# Allegro board arena_12-12_v5.brd (continued)
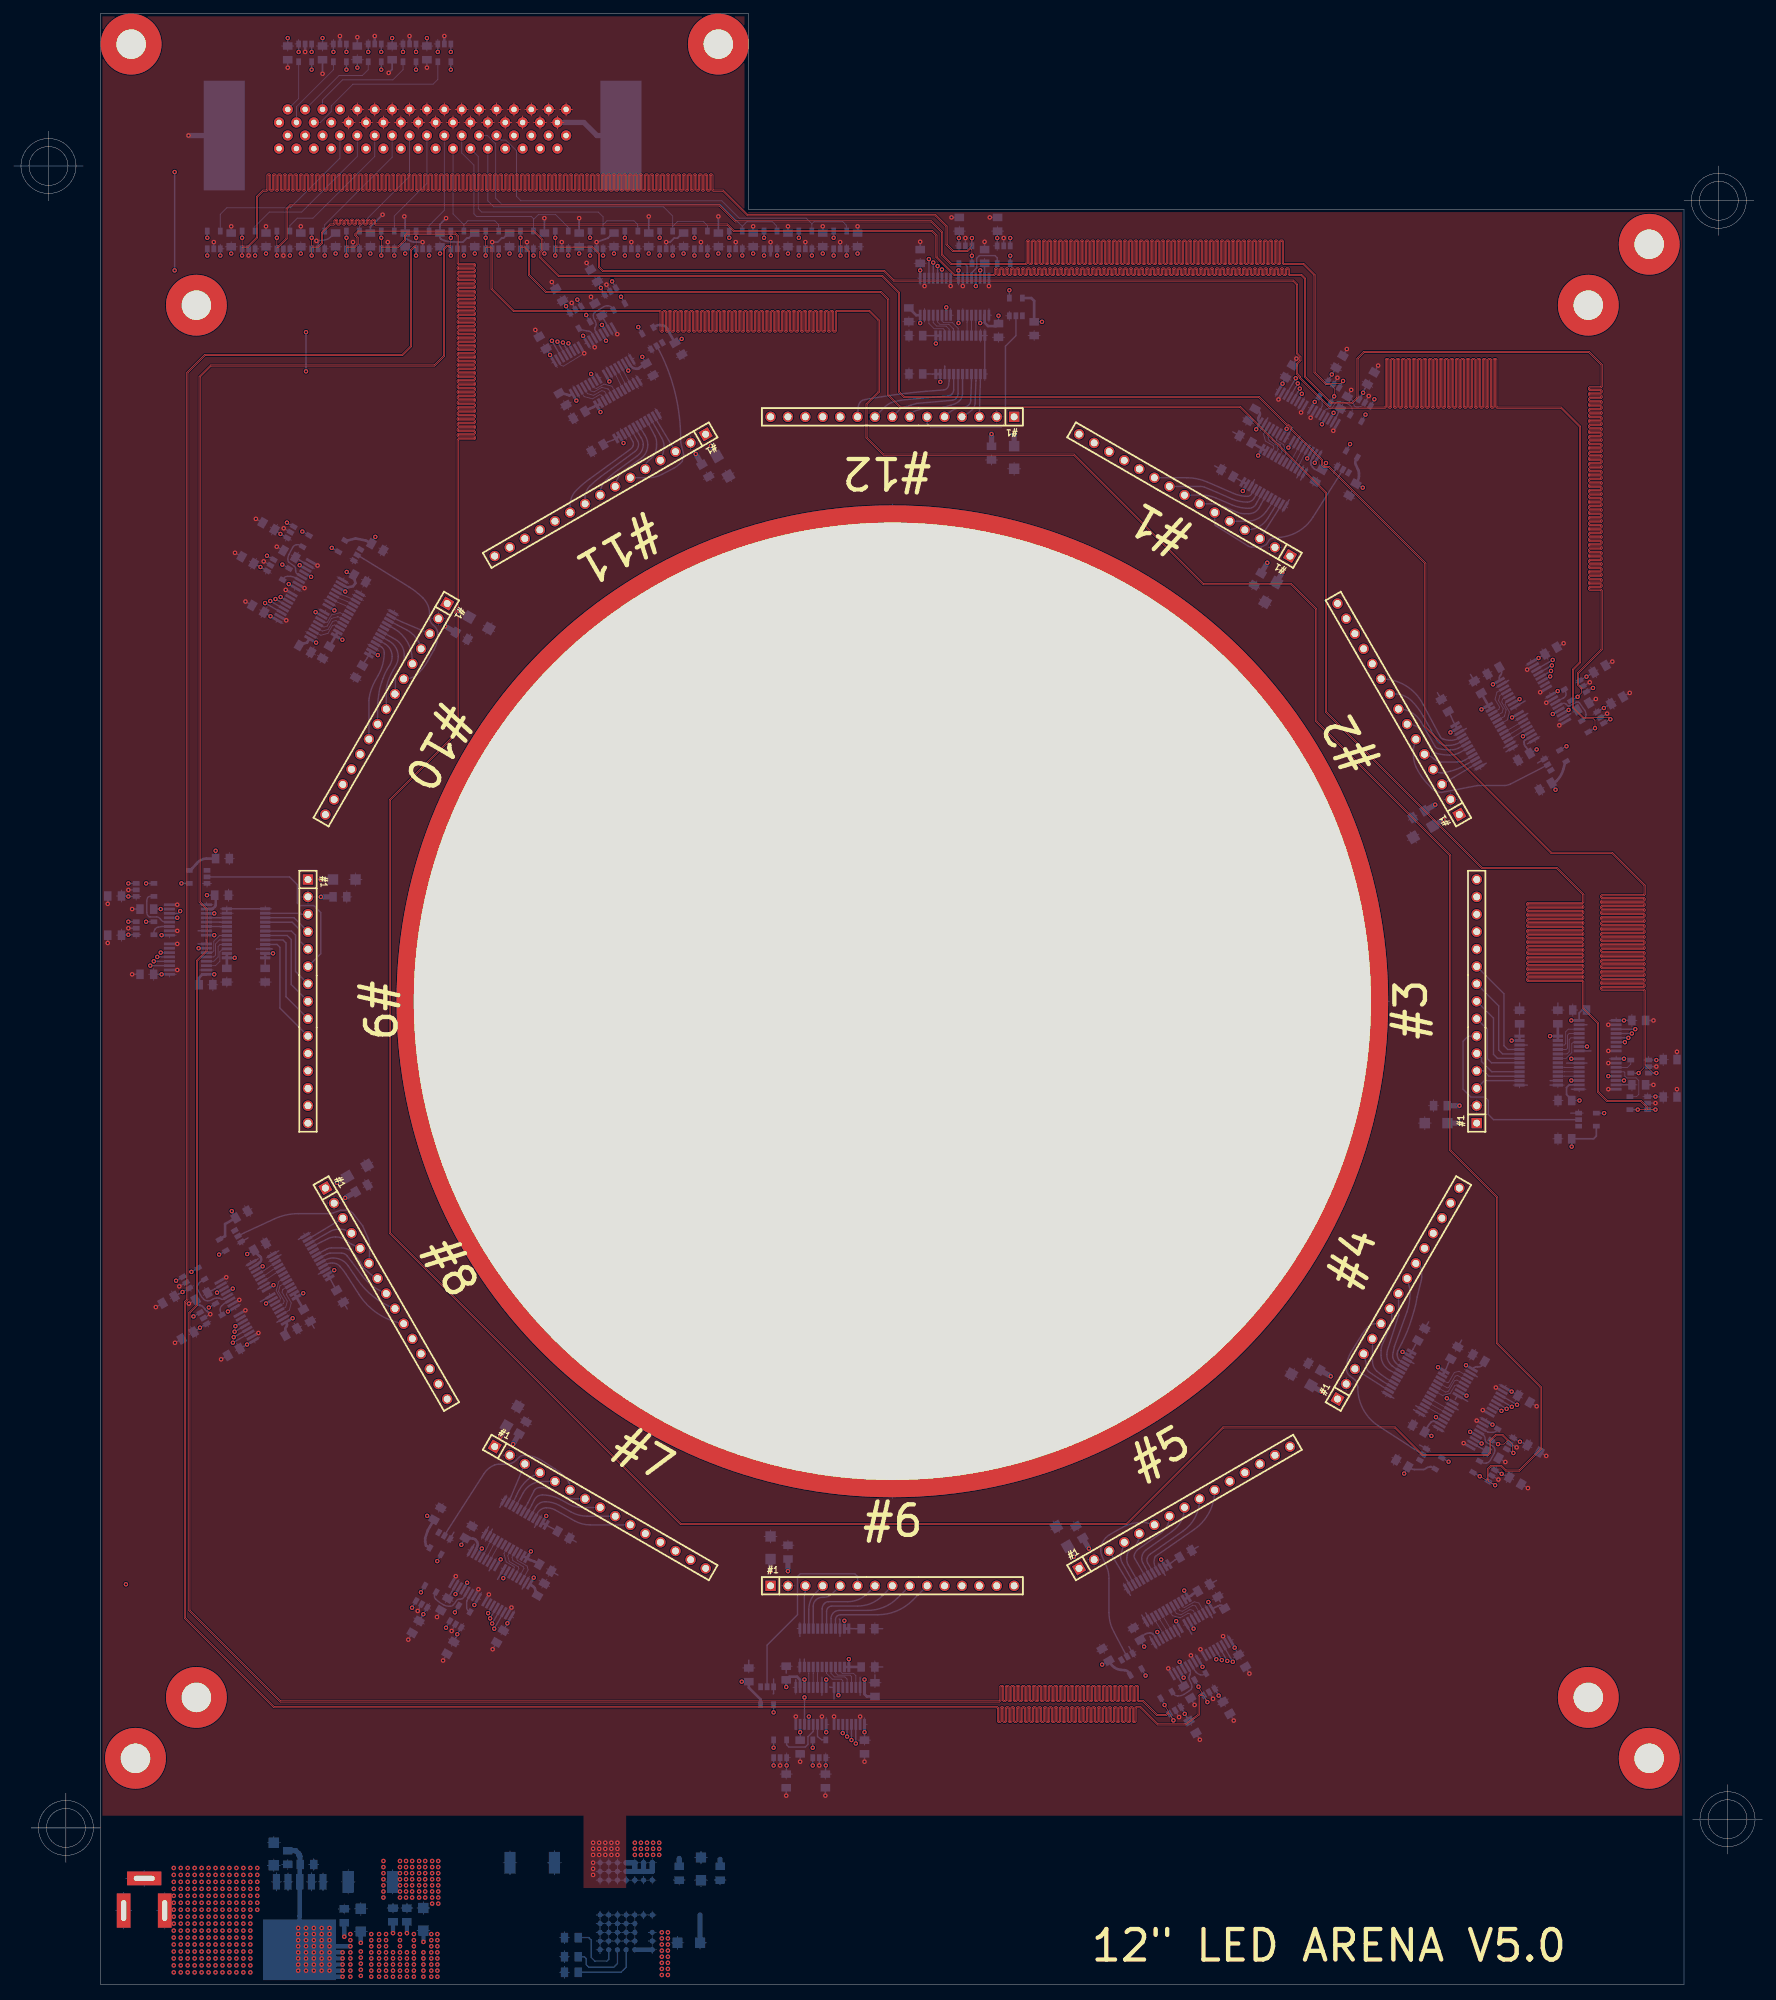
[diagram p0: board, top side]
## Routing (per net, layer and track width the routed paths; a pad name or vN(x,y) marks a point on that pad's centre or on a via; arc(x,y) is an arc through that point) (continued)
  BOTTOM w0.203: U77.3 v1(48.57,282.08) ; U78.4 v1(64.4,54.33)
M1_P: length 475.2
  PWR w0.089: v1(48.57,279.49) 48.57,280.35 48.92,280.69 50.27,280.69 50.88,280.09 50.88,277.19 49.58,275.89 20.75,275.89 17.35,272.49 17.35,233.86 18.47,232.74 19,232.74 19.16,232.91 19.16,233.69 19.23,233.76 19.32,233.76 19.38,233.69 19.38,232.91 19.55,232.74 19.78,232.74 19.95,232.91 19.95,233.69 20.02,233.76 20.1,233.76 20.17,233.69 20.17,232.91 20.34,232.74 20.57,232.74 20.74,232.91 20.74,233.69 20.8,233.76 20.89,233.76 20.96,233.69 20.96,232.91 21.12,232.74 21.36,232.74 21.53,232.91 21.53,233.69 21.59,233.76 21.68,233.76 21.74,233.69 21.74,232.91 21.91,232.74 22.15,232.74 22.31,232.91 22.31,233.69 22.38,233.76 22.47,233.76 22.53,233.69 22.53,232.91 22.7,232.74 22.93,232.74 23.1,232.91 23.1,233.69 23.16,233.76 23.25,233.76 23.32,233.69 23.32,232.91 23.48,232.74 25.45,232.74 29.98,228.21 29.98,129.04 15.57,114.63 15.57,53.01 16.94,51.64 20.42,51.64 20.49,51.57 20.49,50.21 20.65,50.04 20.89,50.04 21.06,50.21 21.06,51.57 21.12,51.64 21.21,51.64 21.27,51.57 21.27,50.21 21.44,50.04 21.68,50.04 21.84,50.21 21.84,51.57 21.91,51.64 22,51.64 22.06,51.57 22.06,50.21 22.23,50.04 22.46,50.04 22.63,50.21 22.63,51.57 22.69,51.64 22.78,51.64 22.85,51.57 22.85,50.21 23.01,50.04 23.25,50.04 23.42,50.21 23.42,51.57 23.48,51.64 23.57,51.64 23.63,51.57 23.63,50.21 23.8,50.04 24.04,50.04 24.21,50.21 24.21,51.57 24.27,51.64 24.36,51.64 24.42,51.57 24.42,50.21 24.59,50.04 24.83,50.04 24.99,50.21 24.99,51.57 25.06,51.64 25.15,51.64 25.21,51.57 25.21,50.21 25.38,50.04 25.61,50.04 25.78,50.21 25.78,51.57 25.84,51.64 25.93,51.64 26,51.57 26,50.21 26.16,50.04 26.4,50.04 26.57,50.21 26.57,51.57 26.63,51.64 26.72,51.64 26.78,51.57 26.78,50.21 26.95,50.04 27.19,50.04 27.36,50.21 27.36,51.57 27.42,51.64 27.51,51.64 27.57,51.57 27.57,50.21 27.74,50.04 27.98,50.04 28.14,50.21 28.14,51.57 28.21,51.64 28.3,51.64 28.36,51.57 28.36,50.21 28.53,50.04 28.76,50.04 28.93,50.21 28.93,51.57 28.99,51.64 29.08,51.64 29.15,51.57 29.15,50.21 29.31,50.04 29.55,50.04 29.72,50.21 29.72,51.57 29.78,51.64 29.87,51.64 29.93,51.57 29.93,50.21 30.1,50.04 30.34,50.04 30.51,50.21 30.51,51.57 30.57,51.64 30.66,51.64 30.72,51.57 30.72,50.21 30.89,50.04 31.13,50.04 31.29,50.21 31.29,51.57 31.36,51.64 31.45,51.64 31.51,51.57 31.51,50.21 31.68,50.04 31.91,50.04 32.08,50.21 32.08,51.57 32.14,51.64 32.23,51.64 32.3,51.57 32.3,50.21 32.46,50.04 32.7,50.04 32.87,50.21 32.87,51.57 32.93,51.64 33.02,51.64 33.08,51.57 33.08,50.21 33.25,50.04 33.49,50.04 33.66,50.21 33.66,51.57 33.72,51.64 33.81,51.64 33.87,51.57 33.87,50.21 34.04,50.04 34.27,50.04 34.44,50.21 34.44,51.57 34.51,51.64 34.59,51.64 34.66,51.57 34.66,50.21 34.83,50.04 35.06,50.04 35.23,50.21 35.23,51.57 35.29,51.64 35.38,51.64 35.45,51.57 35.45,50.21 35.61,50.04 35.85,50.04 36.02,50.21 36.02,51.57 36.08,51.64 36.17,51.64 36.23,51.57 36.23,50.21 36.4,50.04 36.64,50.04 36.8,50.21 36.8,51.57 36.87,51.64 36.96,51.64 37.02,51.57 37.02,50.21 37.19,50.04 37.42,50.04 37.59,50.21 37.59,51.57 37.66,51.64 37.74,51.64 37.81,51.57 37.81,50.21 37.98,50.04 38.21,50.04 38.38,50.21 38.38,51.57 38.44,51.64 38.53,51.64 38.6,51.57 38.6,50.21 38.76,50.04 39,50.04 39.17,50.21 39.17,51.57 39.23,51.64 39.32,51.64 39.38,51.57 39.38,50.21 39.55,50.04 39.79,50.04 39.95,50.21 39.95,51.57 40.02,51.64 40.11,51.64 40.17,51.57 40.17,50.21 40.34,50.04 40.57,50.04 40.74,50.21 40.74,51.57 40.81,51.64 40.89,51.64 40.96,51.57 40.96,50.21 41.13,50.04 41.36,50.04 41.53,50.21 41.53,51.57 41.59,51.64 41.68,51.64 41.74,51.57 41.74,50.21 41.91,50.04 42.15,50.04 42.32,50.21 42.32,51.57 42.38,51.64 42.47,51.64 42.53,51.57 42.53,50.21 42.7,50.04 42.94,50.04 43.1,50.21 43.1,51.57 43.17,51.64 43.26,51.64 43.32,51.57 43.32,50.21 43.49,50.04 43.72,50.04 43.89,50.21 43.89,51.57 43.95,51.64 44.04,51.64 44.11,51.57 44.11,50.21 44.27,50.04 44.51,50.04 44.68,50.21 44.68,51.57 44.74,51.64 44.83,51.64 44.89,51.57 44.89,50.21 45.06,50.04 45.3,50.04 45.47,50.21 45.47,51.57 45.53,51.64 45.62,51.64 45.68,51.57 45.68,50.21 45.85,50.04 46.09,50.04 46.25,50.21 46.25,51.57 46.32,51.64 46.41,51.64 46.47,51.57 46.47,50.21 46.64,50.04 46.87,50.04 47.04,50.21 47.04,51.57 47.1,51.64 47.19,51.64 47.26,51.57 47.26,50.21 47.42,50.04 47.66,50.04 47.83,50.21 47.83,51.57 47.89,51.64 47.98,51.64 48.04,51.57 48.04,50.21 48.21,50.04 48.45,50.04 48.62,50.21 48.62,51.57 48.68,51.64 48.77,51.64 48.83,51.57 48.83,50.21 49,50.04 49.24,50.04 49.4,50.21 49.4,51.57 49.47,51.64 49.56,51.64 49.62,51.57 49.62,50.21 49.79,50.04 50.02,50.04 50.19,50.21 50.19,51.57 50.25,51.64 50.34,51.64 50.41,51.57 50.41,50.21 50.57,50.04 50.81,50.04 50.98,50.21 50.98,51.57 51.04,51.64 51.13,51.64 51.19,51.57 51.19,50.21 51.36,50.04 51.6,50.04 51.77,50.21 51.77,51.57 51.83,51.64 51.92,51.64 51.98,51.57 51.98,50.21 52.15,50.04 52.38,50.04 52.55,50.21 52.55,51.57 52.62,51.64 52.71,51.64 52.77,51.57 52.77,50.21 52.94,50.04 53.17,50.04 53.34,50.21 53.34,51.57 53.4,51.64 53.49,51.64 53.56,51.57 53.56,50.21 53.72,50.04 53.96,50.04 54.13,50.21 54.13,51.57 54.19,51.64 54.28,51.64 54.34,51.57 54.34,50.21 54.51,50.04 54.75,50.04 54.91,50.21 54.91,51.57 54.98,51.64 55.07,51.64 55.13,51.57 55.13,50.21 55.3,50.04 55.53,50.04 55.7,50.21 55.7,51.57 55.77,51.64 55.85,51.64 55.92,51.57 55.92,50.21 56.09,50.04 56.32,50.04 56.49,50.21 56.49,51.57 56.55,51.64 60.78,51.64 62.81,53.67 63.08,53.67 63.5,53.25 63.52,53.24 63.63,53.17 63.63,53.17 63.67,53.05 v1(63.11,52.08)
  BOTTOM w0.203: U77.4 v1(48.57,279.49) ; U78.3 v1(63.11,52.08)
M2_N: length 472.6
  PWR w0.089: v1(53.65,282.08) 53.65,281.12 53.9,280.87 54.66,280.87 55.5,280.03 55.5,275.84 54.36,274.7 24.13,274.7 20.45,271.02 20.45,269.78 20.28,269.62 18.78,269.62 18.72,269.55 18.72,269.46 18.78,269.4 20.28,269.4 20.45,269.23 20.45,269 20.28,268.83 18.78,268.83 18.72,268.77 18.72,268.68 18.78,268.61 20.28,268.61 20.45,268.44 20.45,268.21 20.28,268.04 18.78,268.04 18.72,267.98 18.72,267.89 18.78,267.83 20.28,267.83 20.45,267.66 20.45,267.42 20.28,267.25 18.78,267.25 18.72,267.19 18.72,267.1 18.78,267.04 20.28,267.04 20.45,266.87 20.45,266.63 20.28,266.47 18.78,266.47 18.72,266.4 18.72,266.31 18.78,266.25 20.28,266.25 20.45,266.08 20.45,265.85 20.28,265.68 18.78,265.68 18.72,265.62 18.72,265.53 18.78,265.46 20.28,265.46 20.45,265.3 20.45,265.06 20.28,264.89 18.78,264.89 18.72,264.83 18.72,264.74 18.78,264.68 20.28,264.68 20.45,264.51 20.45,264.27 20.28,264.1 18.78,264.1 18.72,264.04 18.72,263.95 18.78,263.89 20.28,263.89 20.45,263.72 20.45,263.48 20.28,263.32 18.78,263.32 18.72,263.25 18.72,263.16 18.78,263.1 20.28,263.1 20.45,262.93 20.45,262.7 20.28,262.53 18.78,262.53 18.72,262.47 18.72,262.38 18.78,262.31 20.28,262.31 20.45,262.15 20.45,261.91 20.28,261.74 18.78,261.74 18.72,261.68 18.72,261.59 18.78,261.53 20.28,261.53 20.45,261.36 20.45,261.12 20.28,260.95 18.78,260.95 18.72,260.89 18.72,260.8 18.78,260.74 20.28,260.74 20.45,260.57 20.45,260.33 20.28,260.17 18.78,260.17 18.72,260.1 18.72,260.01 18.78,259.95 20.28,259.95 20.45,259.78 20.45,259.55 20.28,259.38 18.78,259.38 18.72,259.32 18.72,259.23 18.78,259.16 20.28,259.16 20.45,259 20.45,258.76 20.28,258.59 18.78,258.59 18.72,258.53 18.72,258.44 18.78,258.38 20.28,258.38 20.45,258.21 20.45,257.97 20.28,257.8 18.78,257.8 18.72,257.74 18.72,257.65 18.78,257.59 20.28,257.59 20.45,257.42 20.45,257.19 20.28,257.02 18.78,257.02 18.72,256.95 18.72,256.87 18.78,256.8 20.28,256.8 20.45,256.63 20.45,256.4 20.28,256.23 18.78,256.23 18.72,256.17 18.72,256.08 18.78,256.01 20.28,256.01 20.45,255.85 20.45,255.61 20.28,255.44 18.78,255.44 18.72,255.38 18.72,255.29 18.78,255.23 20.28,255.23 20.45,255.06 20.45,254.82 20.28,254.66 18.78,254.66 18.72,254.59 18.72,254.5 18.78,254.44 20.28,254.44 20.45,254.27 20.45,254.04 20.28,253.87 18.78,253.87 18.72,253.8 18.72,253.72 18.78,253.65 20.28,253.65 20.45,253.48 20.45,253.25 20.28,253.08 18.78,253.08 18.72,253.02 18.72,252.93 18.78,252.86 20.28,252.86 20.45,252.7 20.45,252.46 20.28,252.29 18.78,252.29 18.72,252.23 18.72,252.14 18.78,252.08 20.28,252.08 20.45,251.91 20.45,251.67 20.28,251.51 18.78,251.51 18.72,251.44 18.72,251.35 18.78,251.29 20.28,251.29 20.45,251.12 20.45,250.89 20.28,250.72 18.78,250.72 18.72,250.65 18.72,250.57 18.78,250.5 20.28,250.5 20.45,250.33 20.45,250.1 20.28,249.93 18.78,249.93 18.72,249.87 18.72,249.78 18.78,249.72 20.28,249.72 20.45,249.55 20.45,249.31 20.28,249.14 18.78,249.14 18.72,249.08 18.72,248.99 18.78,248.93 20.28,248.93 20.45,248.76 20.45,248.52 20.28,248.36 18.78,248.36 18.72,248.29 18.72,248.2 18.78,248.14 20.28,248.14 20.45,247.97 20.45,247.74 20.28,247.57 18.78,247.57 18.72,247.51 18.72,247.42 18.78,247.35 20.28,247.35 20.45,247.19 20.45,246.95 20.28,246.78 18.78,246.78 18.72,246.72 18.72,246.63 18.78,246.57 20.28,246.57 20.45,246.4 20.45,246.16 20.28,245.99 18.78,245.99 18.72,245.93 18.72,245.84 18.78,245.78 20.28,245.78 20.45,245.61 20.45,245.37 20.28,245.21 18.78,245.21 18.72,245.14 18.72,245.05 18.78,244.99 20.28,244.99 20.45,244.82 20.45,244.59 20.28,244.42 18.78,244.42 18.72,244.36 18.72,244.27 18.78,244.2 20.28,244.2 20.45,244.04 20.45,243.8 20.28,243.63 18.78,243.63 18.72,243.57 18.72,243.48 18.78,243.42 20.28,243.42 20.45,243.25 20.45,243.01 20.28,242.84 18.78,242.84 18.72,242.78 18.72,242.69 18.78,242.63 20.28,242.63 20.45,242.46 20.45,242.22 20.28,242.06 18.78,242.06 18.72,241.99 18.72,241.9 18.78,241.84 20.28,241.84 20.45,241.67 20.45,241.44 20.28,241.27 18.78,241.27 18.72,241.21 18.72,241.12 18.78,241.05 20.28,241.05 20.45,240.89 20.45,240.65 20.28,240.48 18.78,240.48 18.72,240.42 18.72,240.33 18.78,240.27 20.28,240.27 20.45,240.1 20.45,239.86 20.28,239.69 18.78,239.69 18.72,239.63 18.72,239.54 18.78,239.48 20.28,239.48 20.45,239.31 20.45,236.85 20.83,236.47 29.21,236.47 30.73,234.95 30.73,114.17 30.14,113.58 29.91,113.58 26.32,117.17 26.23,117.17 26.17,117.1 26.17,117.01 29.75,113.43 29.75,113.19 29.58,113.02 29.34,113.02 25.76,116.6 25.67,116.6 25.6,116.54 25.6,116.44 29.18,112.86 29.18,112.62 29.01,112.45 28.77,112.45 25.19,116.03 25.1,116.03 25.04,115.97 25.04,115.88 28.62,112.3 28.62,112.06 28.45,111.88 28.21,111.88 24.63,115.47 24.53,115.47 24.47,115.4 24.47,115.31 28.05,111.73 28.05,111.49 27.88,111.32 27.64,111.32 24.06,114.9 23.97,114.9 23.9,114.84 23.9,114.74 27.49,111.16 27.49,110.92 27.31,110.75 27.07,110.75 23.49,114.33 23.4,114.33 23.34,114.27 23.34,114.18 26.92,110.6 26.92,110.36 26.75,110.19 26.51,110.19 22.93,113.77 22.83,113.77 22.77,113.7 22.77,113.61 26.35,110.03 26.35,109.79 26.18,109.62 25.94,109.62 22.36,113.2 22.27,113.2 22.2,113.14 22.2,113.05 25.79,109.46 25.79,109.23 25.61,109.05 25.37,109.05 21.79,112.63 21.7,112.63 21.64,112.57 21.64,112.48 25.22,108.9 25.22,108.66 25.05,108.49 24.81,108.49 21.23,112.07 21.14,112.07 21.07,112 21.07,111.91 24.65,108.33 24.65,108.09 24.48,107.92 24.24,107.92 20.66,111.5 20.57,111.5 20.51,111.44 20.51,111.35 24.09,107.76 24.09,107.53 23.2,106.64 23.2,101.82 24.44,100.58 25.34,100.58 26.67,99.26 26.67,99.06 26.91,98.82 v1(28.49,98.82)
  BOTTOM w0.203: U80.4 v1(28.49,98.82) ; U79.3 v1(53.65,282.08)
M2_P: length 472.1
  PWR w0.089: v1(26.24,97.52) 26.49,97.77 26.49,99.18 25.27,100.4 24.37,100.4 23.02,101.75 23.02,106.71 23.91,107.6 23.91,107.69 20.33,111.27 20.33,111.51 20.5,111.68 20.73,111.68 24.32,108.1 24.41,108.1 24.48,108.17 24.48,108.26 20.89,111.84 20.89,112.08 21.06,112.25 21.3,112.25 24.88,108.66 24.97,108.66 25.04,108.73 25.04,108.82 21.46,112.41 21.46,112.64 21.63,112.81 21.87,112.81 25.45,109.23 25.54,109.23 25.61,109.3 25.61,109.39 22.03,112.97 22.03,113.21 22.19,113.38 22.43,113.38 26.01,109.8 26.11,109.8 26.17,109.87 26.17,109.96 22.59,113.54 22.59,113.78 22.76,113.94 23,113.94 26.58,110.36 26.67,110.36 26.74,110.43 26.74,110.52 23.16,114.1 23.16,114.34 23.33,114.51 23.57,114.51 27.15,110.93 27.24,110.93 27.31,111 27.31,111.09 23.73,114.67 23.73,114.91 23.89,115.08 24.13,115.08 27.71,111.5 27.81,111.5 27.87,111.56 27.87,111.66 24.29,115.24 24.29,115.48 24.46,115.64 24.7,115.64 28.28,112.06 28.37,112.06 28.44,112.13 28.44,112.22 24.86,115.8 24.86,116.04 25.03,116.21 25.27,116.21 28.85,112.63 28.94,112.63 29.01,112.7 29.01,112.79 25.43,116.37 25.43,116.61 25.59,116.78 25.83,116.78 29.41,113.2 29.5,113.2 29.57,113.26 29.57,113.36 25.99,116.94 25.99,117.18 26.16,117.34 26.4,117.34 29.98,113.76 30.07,113.76 30.56,114.25 30.56,234.88 29.14,236.3 20.75,236.3 20.27,236.78 20.27,239.24 20.21,239.3 18.71,239.3 18.54,239.47 18.54,239.7 18.71,239.87 20.21,239.87 20.27,239.94 20.27,240.02 20.21,240.09 18.71,240.09 18.54,240.26 18.54,240.49 18.71,240.66 20.21,240.66 20.27,240.72 20.27,240.81 20.21,240.88 18.71,240.88 18.54,241.04 18.54,241.28 18.71,241.45 20.21,241.45 20.27,241.51 20.27,241.6 20.21,241.66 18.71,241.66 18.54,241.83 18.54,242.07 18.71,242.23 20.21,242.23 20.27,242.3 20.27,242.39 20.21,242.45 18.71,242.45 18.54,242.62 18.54,242.85 18.71,243.02 20.21,243.02 20.27,243.09 20.27,243.17 20.21,243.24 18.71,243.24 18.54,243.41 18.54,243.64 18.71,243.81 20.21,243.81 20.27,243.87 20.27,243.96 20.21,244.03 18.71,244.03 18.54,244.19 18.54,244.43 18.71,244.6 20.21,244.6 20.27,244.66 20.27,244.75 20.21,244.81 18.71,244.81 18.54,244.98 18.54,245.22 18.71,245.38 20.21,245.38 20.27,245.45 20.27,245.54 20.21,245.6 18.71,245.6 18.54,245.77 18.54,246 18.71,246.17 20.21,246.17 20.27,246.24 20.27,246.32 20.21,246.39 18.71,246.39 18.54,246.56 18.54,246.79 18.71,246.96 20.21,246.96 20.27,247.02 20.27,247.11 20.21,247.18 18.71,247.18 18.54,247.34 18.54,247.58 18.71,247.75 20.21,247.75 20.27,247.81 20.27,247.9 20.21,247.96 18.71,247.96 18.54,248.13 18.54,248.37 18.71,248.53 20.21,248.53 20.27,248.6 20.27,248.69 20.21,248.75 18.71,248.75 18.54,248.92 18.54,249.15 18.71,249.32 20.21,249.32 20.27,249.38 20.27,249.47 20.21,249.54 18.71,249.54 18.54,249.7 18.54,249.94 18.71,250.11 20.21,250.11 20.27,250.17 20.27,250.26 20.21,250.32 18.71,250.32 18.54,250.49 18.54,250.73 18.71,250.9 20.21,250.9 20.27,250.96 20.27,251.05 20.21,251.11 18.71,251.11 18.54,251.28 18.54,251.52 18.71,251.68 20.21,251.68 20.27,251.75 20.27,251.84 20.21,251.9 18.71,251.9 18.54,252.07 18.54,252.3 18.71,252.47 20.21,252.47 20.27,252.53 20.27,252.62 20.21,252.69 18.71,252.69 18.54,252.85 18.54,253.09 18.71,253.26 20.21,253.26 20.27,253.32 20.27,253.41 20.21,253.47 18.71,253.47 18.54,253.64 18.54,253.88 18.71,254.05 20.21,254.05 20.27,254.11 20.27,254.2 20.21,254.26 18.71,254.26 18.54,254.43 18.54,254.67 18.71,254.83 20.21,254.83 20.27,254.9 20.27,254.99 20.21,255.05 18.71,255.05 18.54,255.22 18.54,255.45 18.71,255.62 20.21,255.62 20.27,255.68 20.27,255.77 20.21,255.84 18.71,255.84 18.54,256 18.54,256.24 18.71,256.41 20.21,256.41 20.27,256.47 20.27,256.56 20.21,256.62 18.71,256.62 18.54,256.79 18.54,257.03 18.71,257.2 20.21,257.2 20.27,257.26 20.27,257.35 20.21,257.41 18.71,257.41 18.54,257.58 18.54,257.82 18.71,257.98 20.21,257.98 20.27,258.05 20.27,258.14 20.21,258.2 18.71,258.2 18.54,258.37 18.54,258.6 18.71,258.77 20.21,258.77 20.27,258.83 20.27,258.92 20.21,258.99 18.71,258.99 18.54,259.15 18.54,259.39 18.71,259.56 20.21,259.56 20.27,259.62 20.27,259.71 20.21,259.77 18.71,259.77 18.54,259.94 18.54,260.18 18.71,260.34 20.21,260.34 20.27,260.41 20.27,260.5 20.21,260.56 18.71,260.56 18.54,260.73 18.54,260.96 18.71,261.13 20.21,261.13 20.27,261.2 20.27,261.28 20.21,261.35 18.71,261.35 18.54,261.52 18.54,261.75 18.71,261.92 20.21,261.92 20.27,261.98 20.27,262.07 20.21,262.14 18.71,262.14 18.54,262.3 18.54,262.54 18.71,262.71 20.21,262.71 20.27,262.77 20.27,262.86 20.21,262.92 18.71,262.92 18.54,263.09 18.54,263.33 18.71,263.49 20.21,263.49 20.27,263.56 20.27,263.65 20.21,263.71 18.71,263.71 18.54,263.88 18.54,264.11 18.71,264.28 20.21,264.28 20.27,264.35 20.27,264.43 20.21,264.5 18.71,264.5 18.54,264.67 18.54,264.9 18.71,265.07 20.21,265.07 20.27,265.13 20.27,265.22 20.21,265.29 18.71,265.29 18.54,265.45 18.54,265.69 18.71,265.86 20.21,265.86 20.27,265.92 20.27,266.01 20.21,266.07 18.71,266.07 18.54,266.24 18.54,266.48 18.71,266.64 20.21,266.64 20.27,266.71 20.27,266.8 20.21,266.86 18.71,266.86 18.54,267.03 18.54,267.26 18.71,267.43 20.21,267.43 20.27,267.5 20.27,267.58 20.21,267.65 18.71,267.65 18.54,267.82 18.54,268.05 18.71,268.22 20.21,268.22 20.27,268.28 20.27,268.37 20.21,268.43 18.71,268.43 18.54,268.6 18.54,268.84 18.71,269.01 20.21,269.01 20.27,269.07 20.27,269.16 20.21,269.22 18.71,269.22 18.54,269.39 18.54,269.63 18.71,269.79 20.21,269.79 20.27,269.86 20.27,271.09 24.06,274.88 54.28,274.88 55.32,275.92 55.32,279.96 54.59,280.69 53.87,280.69 53.65,280.48 v1(53.65,279.49)
  BOTTOM w0.203: U79.4 v1(53.65,279.49) ; U80.3 v1(26.24,97.52)
M3_N: length 477.8
  PWR w0.089: v1(19.33,155.13) 18.21,155.13 18.12,155.22 18.12,157.52 17.6,158.04 15.95,158.04 15.42,158.57 15.42,161.22 15.48,161.29 16.98,161.29 17.15,161.46 17.15,161.69 16.98,161.86 15.48,161.86 15.42,161.92 15.42,162.01 15.48,162.07 16.98,162.07 17.15,162.24 17.15,162.48 16.98,162.65 15.48,162.65 15.42,162.71 15.42,162.8 15.48,162.86 16.98,162.86 17.15,163.03 17.15,163.27 16.98,163.43 15.48,163.43 15.42,163.5 15.42,163.59 15.48,163.65 16.98,163.65 17.15,163.82 17.15,164.05 16.98,164.22 15.48,164.22 15.42,164.28 15.42,164.37 15.48,164.44 16.98,164.44 17.15,164.6 17.15,164.84 16.98,165.01 15.48,165.01 15.42,165.07 15.42,165.16 15.48,165.22 16.98,165.22 17.15,165.39 17.15,165.63 16.98,165.8 15.48,165.8 15.42,165.86 15.42,165.95 15.48,166.01 16.98,166.01 17.15,166.18 17.15,166.42 16.98,166.58 15.48,166.58 15.42,166.65 15.42,166.74 15.48,166.8 16.98,166.8 17.15,166.97 17.15,167.2 16.98,167.37 15.48,167.37 15.42,167.43 15.42,167.52 15.48,167.59 16.98,167.59 17.15,167.75 17.15,167.99 16.98,168.16 15.48,168.16 15.42,168.22 15.42,168.31 15.48,168.37 16.98,168.37 17.15,168.54 17.15,168.78 16.98,168.95 15.48,168.95 15.42,169.01 15.42,169.1 15.48,169.16 16.98,169.16 17.15,169.33 17.15,169.57 16.98,169.73 15.48,169.73 15.42,169.8 15.42,169.89 15.48,169.95 16.98,169.95 17.15,170.12 17.15,170.35 16.98,170.52 15.48,170.52 15.42,170.58 15.42,170.67 15.48,170.74 16.98,170.74 17.15,170.9 17.15,171.14 16.98,171.31 15.48,171.31 15.42,171.37 15.42,171.46 15.48,171.52 16.98,171.52 17.15,171.69 17.15,171.93 16.98,172.1 15.48,172.1 15.42,172.16 15.42,172.25 15.48,172.31 16.98,172.31 17.15,172.48 17.15,172.71 16.98,172.88 15.48,172.88 15.42,172.95 15.42,173.03 15.48,173.1 16.98,173.1 17.15,173.27 17.15,173.5 16.98,173.67 15.48,173.67 15.42,173.73 15.42,173.82 15.48,173.89 16.98,173.89 17.15,174.05 17.15,174.29 16.98,174.46 15.48,174.46 15.42,174.52 15.42,174.61 15.48,174.67 16.98,174.67 17.15,174.84 17.15,175.08 16.98,175.24 15.48,175.24 15.42,175.31 15.42,175.4 15.48,175.46 16.98,175.46 17.15,175.63 17.15,175.86 16.98,176.03 15.48,176.03 15.42,176.1 15.42,176.18 15.48,176.25 16.98,176.25 17.15,176.42 17.15,176.65 16.98,176.82 15.48,176.82 15.42,176.88 15.42,176.97 15.48,177.04 16.98,177.04 17.15,177.2 17.15,177.44 16.98,177.61 15.48,177.61 15.42,177.67 15.42,177.76 15.48,177.82 16.98,177.82 17.15,177.99 17.15,178.23 16.98,178.39 15.48,178.39 15.42,178.46 15.42,178.55 15.48,178.61 16.98,178.61 17.15,178.78 17.15,179.01 16.98,179.18 15.48,179.18 15.42,179.25 15.42,179.33 15.48,179.4 16.98,179.4 17.15,179.57 17.15,179.8 16.98,179.97 15.48,179.97 15.42,180.03 15.42,180.12 15.48,180.19 16.98,180.19 17.15,180.35 17.15,180.59 16.98,180.76 15.48,180.76 15.42,180.82 15.42,180.91 15.48,180.97 16.98,180.97 17.15,181.14 17.15,181.38 16.98,181.54 15.48,181.54 15.42,181.61 15.42,181.7 15.48,181.76 16.98,181.76 17.15,181.93 17.15,182.16 16.98,182.33 15.48,182.33 15.42,182.39 15.42,182.48 15.48,182.55 16.98,182.55 17.15,182.71 17.15,182.95 16.98,183.12 15.48,183.12 15.42,183.18 15.42,183.27 15.48,183.33 16.98,183.33 17.15,183.5 17.15,183.74 16.98,183.91 15.48,183.91 15.42,183.97 15.42,184.06 15.48,184.12 16.98,184.12 17.15,184.29 17.15,184.53 16.98,184.69 15.48,184.69 15.42,184.76 15.42,184.85 15.48,184.91 16.98,184.91 17.15,185.08 17.15,185.31 16.98,185.48 15.48,185.48 15.42,185.54 15.42,185.63 15.48,185.7 16.98,185.7 17.15,185.86 17.15,186.1 16.98,186.27 15.48,186.27 15.42,186.33 15.42,186.42 15.48,186.48 16.98,186.48 17.15,186.65 17.15,186.89 16.98,187.06 15.48,187.06 15.42,187.12 15.42,187.21 15.48,187.27 16.98,187.27 17.15,187.44 17.15,187.68 16.98,187.84 15.48,187.84 15.42,187.91 15.42,188 15.48,188.06 16.98,188.06 17.15,188.23 17.15,188.46 16.98,188.63 15.48,188.63 15.42,188.69 15.42,188.78 15.48,188.85 16.98,188.85 17.15,189.01 17.15,189.25 16.98,189.42 15.48,189.42 15.42,189.48 15.42,189.57 15.48,189.63 16.98,189.63 17.15,189.8 17.15,190.04 16.98,190.21 15.48,190.21 15.42,190.27 15.42,190.36 15.48,190.42 16.98,190.42 17.15,190.59 17.15,190.83 16.98,190.99 15.48,190.99 15.42,191.06 15.42,191.15 15.48,191.21 16.98,191.21 17.15,191.38 17.15,191.61 16.98,191.78 15.48,191.78 15.42,191.84 15.42,191.93 15.48,192 16.98,192 17.15,192.16 17.15,192.4 16.98,192.57 15.48,192.57 15.42,192.63 15.42,192.72 15.48,192.78 16.98,192.78 17.15,192.95 17.15,193.19 16.98,193.35 15.48,193.35 15.42,193.42 15.42,193.51 15.48,193.57 16.98,193.57 17.15,193.74 17.15,193.97 16.98,194.14 15.48,194.14 15.42,194.21 15.42,194.29 15.48,194.36 16.98,194.36 17.15,194.53 17.15,194.76 16.98,194.93 15.48,194.93 15.42,194.99 15.42,195.08 15.48,195.15 16.98,195.15 17.15,195.31 17.15,195.55 16.98,195.72 15.48,195.72 15.42,195.78 15.42,195.87 15.48,195.93 16.98,195.93 17.15,196.1 17.15,196.34 16.98,196.5 15.48,196.5 15.42,196.57 15.42,196.66 15.48,196.72 16.98,196.72 17.15,196.89 17.15,197.12 16.98,197.29 15.48,197.29 15.42,197.36 15.42,197.44 15.48,197.51 16.98,197.51 17.15,197.68 17.15,197.91 16.98,198.08 15.48,198.08 15.42,198.14 15.42,198.23 15.48,198.3 16.98,198.3 17.15,198.46 17.15,198.7 16.98,198.87 15.48,198.87 15.42,198.93 15.42,199.02 15.48,199.08 16.98,199.08 17.15,199.25 17.15,199.49 16.98,199.65 15.48,199.65 15.42,199.72 15.42,199.81 15.48,199.87 16.98,199.87 17.15,200.04 17.15,200.27 16.98,200.44 15.48,200.44 15.42,200.51 15.42,200.59 15.48,200.66 16.98,200.66 17.15,200.83 17.15,201.06 16.98,201.23 15.48,201.23 15.42,201.29 15.42,201.38 15.48,201.44 16.98,201.44 17.15,201.61 17.15,201.85 16.98,202.02 15.48,202.02 15.42,202.08 15.42,202.17 15.48,202.23 16.98,202.23 17.15,202.4 17.15,202.64 16.98,202.8 15.48,202.8 15.42,202.87 15.42,202.96 15.48,203.02 16.98,203.02 17.15,203.19 17.15,203.42 16.98,203.59 15.48,203.59 15.42,203.65 15.42,203.74 15.48,203.81 16.98,203.81 17.15,203.97 17.15,204.21 16.98,204.38 15.48,204.38 15.42,204.44 15.42,204.53 15.48,204.59 16.98,204.59 17.15,204.76 17.15,205 16.98,205.17 15.48,205.17 15.42,205.23 15.42,205.32 15.48,205.38 16.98,205.38 17.15,205.55 17.15,205.79 16.98,205.95 15.48,205.95 15.42,206.02 15.42,206.11 15.48,206.17 16.98,206.17 17.15,206.34 17.15,206.57 16.98,206.74 15.48,206.74 15.42,206.8 15.42,206.89 15.48,206.96 16.98,206.96 17.15,207.12 17.15,207.36 16.98,207.53 15.48,207.53 15.42,207.59 15.42,207.68 15.48,207.74 16.98,207.74 17.15,207.91 17.15,208.15 16.98,208.32 15.48,208.32 15.42,208.38 15.42,208.47 15.48,208.53 16.98,208.53 17.15,208.7 17.15,208.94 16.98,209.1 15.48,209.1 15.42,209.17 15.42,209.26 15.48,209.32 16.98,209.32 17.15,209.49 17.15,209.72 16.98,209.89 15.48,209.89 15.42,209.95 15.42,210.04 15.48,210.11 16.98,210.11 17.15,210.27 17.15,210.51 16.98,210.68 15.48,210.68 15.42,210.74 15.42,210.83 15.48,210.89 16.98,210.89 17.15,211.06 17.15,211.3 16.98,211.47 15.48,211.47 15.42,211.53 15.42,211.62 15.48,211.68 16.98,211.68 17.15,211.85 17.15,212.08 16.98,212.25 15.48,212.25 15.42,212.32 15.42,212.4 15.48,212.47 16.98,212.47 17.15,212.64 17.15,212.87 16.98,213.04 15.48,213.04 15.42,213.1 15.42,213.19 15.48,213.26 16.98,213.26 17.15,213.42 17.15,213.66 16.98,213.83 15.48,213.83 15.42,213.89 15.42,213.98 15.48,214.04 16.98,214.04 17.15,214.21 17.15,214.45 16.98,214.61 15.48,214.61 15.42,214.68 15.42,214.77 15.48,214.83 16.98,214.83 17.15,215 17.15,215.23 16.98,215.4 15.48,215.4 15.42,215.47 15.42,215.55 15.48,215.62 16.98,215.62 17.15,215.79 17.15,216.02 16.98,216.19 15.48,216.19 15.42,216.25 15.42,216.34 15.48,216.41 16.98,216.41 17.15,216.57 17.15,216.81 16.98,216.98 15.48,216.98 15.42,217.04 15.42,217.13 15.48,217.19 16.98,217.19 17.15,217.36 17.15,217.6 16.98,217.76 15.48,217.76 15.42,217.83 15.42,217.92 15.48,217.98 16.98,217.98 17.15,218.15 17.15,218.38 16.98,218.55 15.48,218.55 15.42,218.62 15.42,218.7 15.48,218.77 16.98,218.77 17.15,218.94 17.15,219.17 16.98,219.34 15.48,219.34 15.42,219.4 15.42,219.49 15.48,219.56 16.98,219.56 17.15,219.72 17.15,219.96 16.98,220.13 15.48,220.13 15.42,220.19 15.42,220.28 15.48,220.34 16.98,220.34 17.15,220.51 17.15,220.75 16.98,220.91 15.48,220.91 15.42,220.98 15.42,221.07 15.48,221.13 16.98,221.13 17.15,221.3 17.15,221.53 16.98,221.7 15.48,221.7 15.42,221.76 15.42,221.85 15.48,221.92 16.98,221.92 17.15,222.08 17.15,222.32 16.98,222.49 15.48,222.49 15.42,222.55 15.42,222.64 15.48,222.7 16.98,222.7 17.15,222.87 17.15,223.11 16.98,223.28 15.48,223.28 15.42,223.34 15.42,223.43 15.48,223.49 16.98,223.49 17.15,223.66 17.15,223.9 16.98,224.06 15.48,224.06 15.42,224.13 15.42,224.22 15.48,224.28 16.98,224.28 17.15,224.45 17.15,224.68 16.98,224.85 15.48,224.85 15.42,224.91 15.42,225 15.48,225.07 16.98,225.07 17.15,225.23 17.15,225.47 16.98,225.64 15.48,225.64 15.42,225.7 15.42,225.79 15.48,225.85 16.98,225.85 17.15,226.02 17.15,226.26 16.98,226.43 15.48,226.43 15.42,226.49 15.42,226.58 15.48,226.64 16.98,226.64 17.15,226.81 17.15,227.05 16.98,227.21 15.48,227.21 15.42,227.28 15.42,227.37 15.48,227.43 16.98,227.43 17.15,227.6 17.15,227.83 16.98,228 15.48,228 15.42,228.06 15.42,228.15 15.48,228.22 16.98,228.22 17.15,228.38 17.15,228.62 16.98,228.79 15.48,228.79 15.42,228.85 15.42,228.94 15.48,229 16.98,229 17.15,229.17 17.15,229.41 16.98,229.58 15.48,229.58 15.42,229.64 15.42,229.73 15.48,229.79 16.98,229.79 17.15,229.96 17.15,230.2 16.98,230.36 15.48,230.36 15.42,230.43 15.42,230.52 15.48,230.58 16.98,230.58 17.15,230.75 17.15,230.98 16.98,231.15 15.48,231.15 15.42,231.21 15.42,231.3 15.48,231.37 16.98,231.37 17.15,231.53 17.15,231.77 16.98,231.94 15.48,231.94 15.42,232 15.42,273.61 19.63,277.83 45.29,277.83 46.02,278.56 46.02,285.04 46.94,285.95 64.95,285.95 66.37,284.53 66.37,281.25 65.97,280.85 64.52,280.85 63.81,281.55 v1(63.81,282.08)
  BOTTOM w0.203: U82.4 v1(19.33,155.13) ; U81.3 v1(63.81,282.08)
